# Altium PCB PCB v0.3.PcbDoc (part 1 of 2) (continued)
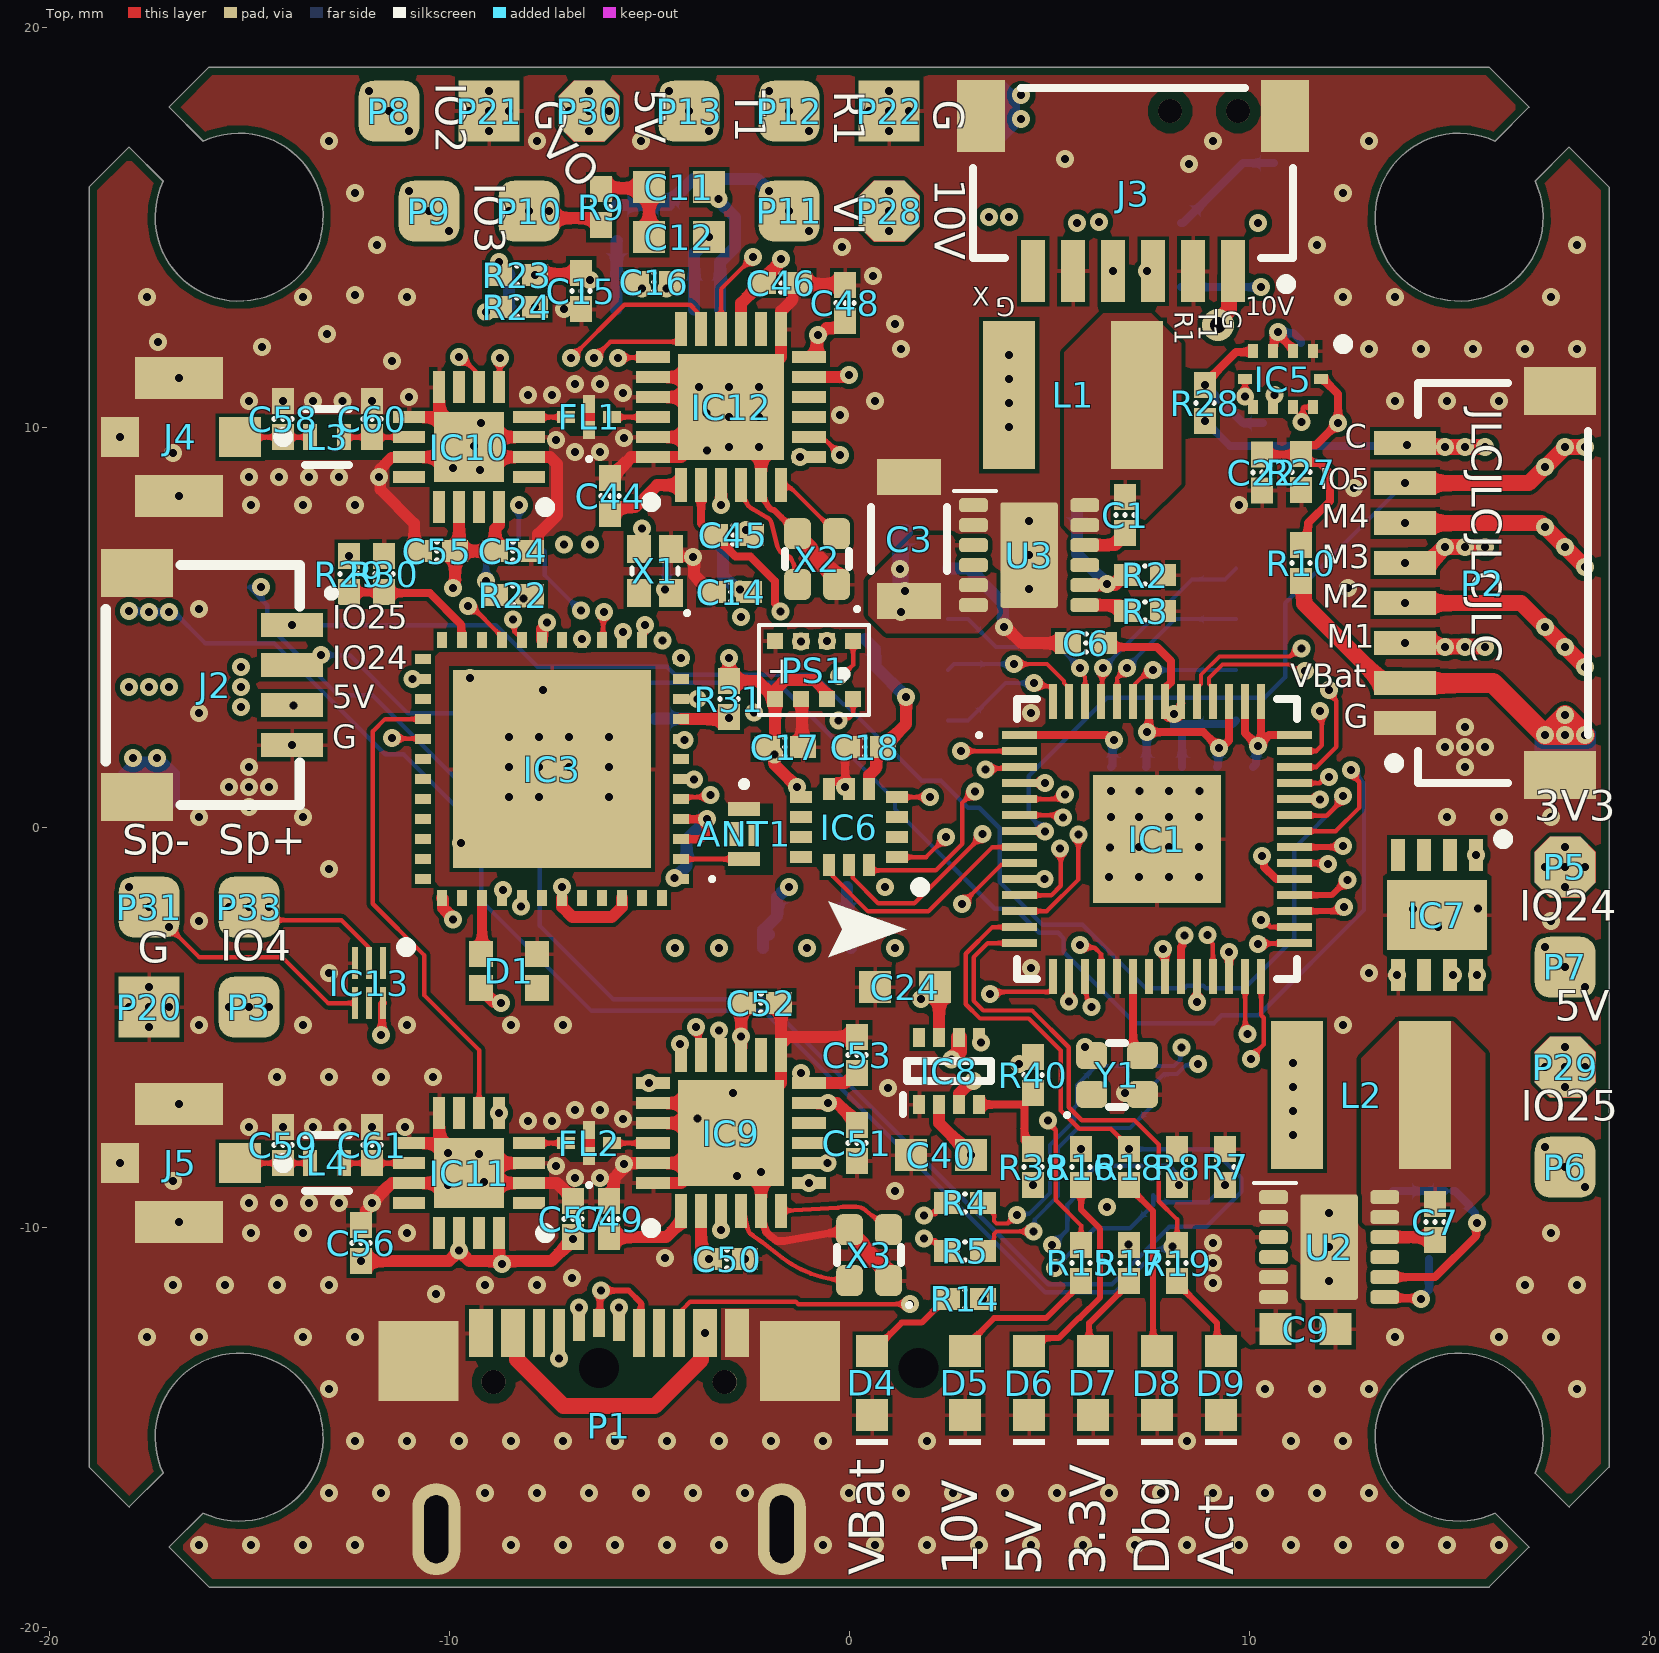
[diagram p0: Top view]
## Part data (continued)
C23 C25 C26 C27 C39: library part 885012205086, "WCAP-CSGP Multilayer Ceramic Chip Capacitor, General Purpose, size 0402, X7R, 100nF, 50VDC", Capacitance Tolerance=+/-10%, Case/Size Code=0402, Insulation Resistance=0.5GΩ, Manufacturer="Wurth Elektronik", Operating Temperature Max=125°C, Operating Temperature Min=-55°C, Rated Voltage (DC)=50V, Capacitance=100nF, Category="Multilayer Ceramic Chip Capacitors", Ceramic Type=X7R, ComponentLink1Description="Website Link", ComponentLink1URL=https://www.we-online.com/redexpert/article/885012205086?ad, ComponentLink2Description="Datasheet Link", ComponentLink2URL=https://www.we-online.com/redexpert/spec/885012205086?ad, Dissipation Factor=10%, Height=0.5mm, Length=1mm, Manufacturer Part Number=885012205086, Match Code=WCAP-CSGP, Mount="Surface Mount", Packaging="Tape and Reel", Technical Reference=X7R0402104K050DFCT10000, Width=0.5mm
C24 C40: library part 885012106017, "WCAP-CSGP Multilayer Ceramic Chip Capacitor, General Purpose, size 0603, X5R, 1µF, 16VDC", Capacitance Tolerance=+/-20%, Case/Size Code=0603, Insulation Resistance=0.1GΩ, Manufacturer="Wurth Elektronik", Operating Temperature Max=85°C, Operating Temperature Min=-55°C, Rated Voltage (DC)=16V, Capacitance=1µF, Category="Multilayer Ceramic Chip Capacitors", Ceramic Type=X5R, ComponentLink1Description="Website Link", ComponentLink1URL=https://www.we-online.com/redexpert/article/885012106017?ad, ComponentLink2Description="Datasheet Link", ComponentLink2URL=https://www.we-online.com/redexpert/spec/885012106017?ad, Dissipation Factor=10%, Height=0.8mm, Length=1.6mm, Manufacturer Part Number=885012106017, Match Code=WCAP-CSGP, Mount="Surface Mount", Packaging="Tape and Reel", Technical Reference=X5R0603105M016DFCT10000, Width=0.8mm
C42: library part 885012206076, "WCAP-CSGP Multilayer Ceramic Chip Capacitor, General Purpose, size 0603, X7R, 1µF, 25VDC", Capacitance Tolerance=+/-10%, Case/Size Code=0603, Insulation Resistance=0.5GΩ, Manufacturer="Wurth Elektronik", Operating Temperature Max=125°C, Operating Temperature Min=-55°C, Rated Voltage (DC)=25V, Capacitance=1µF, Category="Multilayer Ceramic Chip Capacitors", Ceramic Type=X7R, ComponentLink1Description="Website Link", ComponentLink1URL=https://www.we-online.com/redexpert/article/885012206076?ad, ComponentLink2Description="Datasheet Link", ComponentLink2URL=https://www.we-online.com/redexpert/spec/885012206076?ad, Dissipation Factor=10%, Height=0.8mm, Length=1.6mm, Manufacturer Part Number=885012206076, Match Code=WCAP-CSGP, Mount="Surface Mount", Packaging="Tape and Reel", Technical Reference=X7R0603105K025DFCT10000, Width=0.8mm
C58 C59 C60 C61: library part "Capacitor 0402 100nF", "CL05C1R5BB5NNNC"
CS1: "SHOU HAN TF-CARD H1.8"
D1: "XINGLIGHT XL-1615RGBC-WS2812B"
D3: library part 824015043, "WE-TVS TVS Diode – High Speed Series, SOT23-6L, 4+1 Channel, 3.3V, 2pF", (Reverse) Breakdown Voltage=4.5V, (Reverse) Peak Pulse Current=30A, Case/Size Code=SOT23-6L, Channel ESD Clamping Voltage=7.5V, Channel Input Capacitance=2pF, Channel Reverse Leakage Current=1µA, Manufacturer="Wurth Elektronik", Operating Temperature Max=125°C, Operating Temperature Min=-55°C, Category="ESD Protection", Channel Operating Voltage=3.3V, ComponentLink1Description="Website Link", ComponentLink1URL=https://www.we-online.com/redexpert/article/824015043?ad, ComponentLink2Description="Datasheet Link", ComponentLink2URL=https://www.we-online.com/redexpert/spec/824015043?ad, ESD Air Discharge Capability=30kV, ESD Contact Discharge Capability=30kV, Height=1.45mm, Length=2.9mm, Manufacturer Part Number=824015043, Match Code=WE-TVS, Mount="Surface Mount", Number of Channels=4+1, Packaging="Tape and Reel", Polarity=Unidirectional, Width=2.8mm
D4 D5: library part 150060BS75000, "WL-SMCW Mono-color Chip LED Waterclear, size 0603, Blue, 3.2V, 140°", Case/Size Code=0603, Emitting Color=Blue, Forward Voltage=3.2V, Manufacturer="Wurth Elektronik", Operating Temperature Max=85°C, Operating Temperature Min=-40°C, Category="Signal LEDs", Chip Technology=InGaN, ComponentLink1Description="Website Link", ComponentLink1URL=https://www.we-online.com/redexpert/article/150060BS75000?ad, ComponentLink2Description="Datasheet Link", ComponentLink2URL=https://www.we-online.com/redexpert/spec/150060BS75000?ad, Dominant Wavelength=470nm, Height=0.7mm, Length=1.6mm, Luminous Intensity=145mcd, Manufacturer Part Number=150060BS75000, Match Code=WL-SMCW, Mount="Surface Mount", Packaging="Tape and Reel", Peak Wavelength=465nm, Viewing Angle=140°, Width=0.8mm
D6 D9: library part 150060YS75000, "WL-SMCW Mono-color Chip LED Waterclear, size 0603, Yellow, 2V, 140°", Case/Size Code=0603, Emitting Color=Yellow, Forward Voltage=2V, Manufacturer="Wurth Elektronik", Operating Temperature Max=85°C, Operating Temperature Min=-40°C, Category="Signal LEDs", Chip Technology=AlInGaP, ComponentLink1Description="Website Link", ComponentLink1URL=https://www.we-online.com/redexpert/article/150060YS75000?ad, ComponentLink2Description="Datasheet Link", ComponentLink2URL=https://www.we-online.com/redexpert/spec/150060YS75000?ad, Dominant Wavelength=590nm, Height=0.7mm, Length=1.6mm, Luminous Intensity=120mcd, Manufacturer Part Number=150060YS75000, Match Code=WL-SMCW, Mount="Surface Mount", Packaging="Tape and Reel", Peak Wavelength=595nm, Viewing Angle=140°, Width=0.8mm
D7: library part 150060RS75000, "WL-SMCW Mono-color Chip LED Waterclear, size 0603, Red, 2V, 140°", Case/Size Code=0603, Emitting Color=Red, Forward Voltage=2V, Manufacturer="Wurth Elektronik", Operating Temperature Max=85°C, Operating Temperature Min=-40°C, Category="Signal LEDs", Chip Technology=AlInGaP, ComponentLink1Description="Website Link", ComponentLink1URL=https://www.we-online.com/redexpert/article/150060RS75000?ad, ComponentLink2Description="Datasheet Link", ComponentLink2URL=https://www.we-online.com/redexpert/spec/150060RS75000?ad, Dominant Wavelength=625nm, Height=0.7mm, Length=1.6mm, Luminous Intensity=250mcd, Manufacturer Part Number=150060RS75000, Match Code=WL-SMCW, Mount="Surface Mount", Packaging="Tape and Reel", Peak Wavelength=630nm, Viewing Angle=140°, Width=0.8mm
D8: library part 150060AS75000, "WL-SMCW Mono-color Chip LED Waterclear, size 0603, Amber, 2V, 140°", Case/Size Code=0603, Emitting Color=Amber, Forward Voltage=2V, Manufacturer="Wurth Elektronik", Operating Temperature Max=85°C, Operating Temperature Min=-40°C, Category="Signal LEDs", Chip Technology=AlInGaP, ComponentLink1Description="Website Link", ComponentLink1URL=https://www.we-online.com/redexpert/article/150060AS75000?ad, ComponentLink2Description="Datasheet Link", ComponentLink2URL=https://www.we-online.com/redexpert/spec/150060AS75000?ad, Dominant Wavelength=605nm, Height=0.7mm, Length=1.6mm, Luminous Intensity=130mcd, Manufacturer Part Number=150060AS75000, Match Code=WL-SMCW, Mount="Surface Mount", Packaging="Tape and Reel", Peak Wavelength=610nm, Viewing Angle=140°, Width=0.8mm
D12: library part CMP-14398-000007-1, "DIODE ARRAY SCHOTTKY 30V SOT23", Ambient Temperature Range High=+150°C, Ambient Temperature Range Low=-55°C, Capacitance=10pF, Forward Current=200mA, Manufacturer=Nexperia, Manufacturer Part Number=BAT54C,215, Max Surge Forward Current=600mA, Package=SOT23, Peak Reverse Current=2uA, Reverse Voltage=30V, Temperature="to +150°C", Automotive=Yes, Automotive Grade="Grade 0", Category=Diode, ComponentLink2Description=Datasheet, ComponentLink2URL=https://assets.nexperia.com/documents/data-sheet/BAT54_SER.pdf, Device Class L1="Discrete Semiconductors", Device Class L2=Diodes, Device Class L3="Schottky Diodes", Digikey Description="DIODE ARRAY SCHOTTKY 30V SOT23", Footprint Url=https://assets.nexperia.com/documents/outline-drawing/SOT23.pdf, Height=1.1mm, Ipc Land Pattern Name=SOT95P230X100-3, Lead Free=Yes, Max Junction Temp=+150°C, Mouser Description="Schottky Diodes, Rectifiers - Arrays SOT-23 (TO-236AB) 30V 200mA (DC) Surface Mount", Octopart=https://octopart.com/bat54c%2C215-nexperia-78738945, RoHS=TRUE, Temperature Range High=+150°C
FL1 FL2: "Filter", Manufacturer_Name="Murata Electronics", Mouser Part Number=81-LFL152G45TC1A219, Arrow Part Number=LFL152G45TC1A219, Arrow Price/Stock=https://www.arrow.com/en/products/lfl152g45tc1a219/murata-manufacturing?region=nac, Datasheet Link=https://www.murata.com/en-us/products/productdetail?partno=LFL152G45TC1A219, Height=0.4mm, Manufacturer_Part_Number=LFL152G45TC1A219, Mouser Price/Stock=https://www.mouser.co.uk/ProductDetail/Murata-Electronics/LFL152G45TC1A219?qs=%2F%252BYoplLUB5hWhU%2FZs0btqg%3D%3D
IC1: library part RP2040, "Microcontroller", Manufacturer_Name=RASPBERRY-PI, Manufacturer_Part_Number=SC0914(13), Mouser Part Number=358-SC091413, Datasheet Link=https://datasheets.raspberrypi.com/rp2040/rp2040-datasheet.pdf, Height=0.9mm, Mouser Price/Stock=https://www.mouser.co.uk/ProductDetail/Raspberry-Pi/SC091413?qs=T%252BzbugeAwjhr%252BUbBr3TJcw%3D%3D
IC2: "Integrated Circuit", Manufacturer_Name=Winbond, Mouser Part Number=454-W25Q16JVSSIQ, Arrow Part Number=W25Q16JVSSIQ, Arrow Price/Stock=https://www.arrow.com/en/products/w25q16jvssiq/winbond-electronics?region=nac, Datasheet Link=https://www.winbond.com/hq/search-resource-file.jsp?partNo=W25Q16JVSSIQ&type=datasheet, Height=2.16mm, Manufacturer_Part_Number=W25Q16JVSSIQ, Mouser Price/Stock=https://www.mouser.co.uk/ProductDetail/Winbond/W25Q16JVSSIQ?qs=qSfuJ%252Bfl%2Fd46L%2F1QrQC%2Fog%3D%3D
IC3: "Integrated Circuit", Manufacturer_Name="Espressif Systems", Mouser Part Number=356-ESP32-PICO-V3, Datasheet Link=https://kr.mouser.com/datasheet/2/891/esp32-pico-v3_datasheet_en-1842685.pdf, Height=1.04mm, Manufacturer_Part_Number=ESP32-PICO-V3, Mouser Price/Stock=https://www.mouser.co.uk/ProductDetail/Espressif-Systems/ESP32-PICO-V3?qs=GBLSl2Akirs311o8knsnZA%3D%3D
IC4: "Integrated Circuit", Manufacturer_Name=ICOF, Datasheet Link=https://datasheet.lcsc.com/szlcsc/ZHONGKEWEI-AT7456E_C82351.pdf, Height=1.2mm, Manufacturer_Part_Number=AT7456E
IC5: "Integrated Circuit", Manufacturer_Name="Texas Instruments", Mouser Part Number=595-TLV9002SIRUGR, Arrow Part Number=TLV9002SIRUGR, Arrow Price/Stock=https://www.arrow.com/en/products/tlv9002sirugr/texas-instruments?region=nac, Datasheet Link=http://www.ti.com/lit/gpn/TLV9002, Height=0.4mm, Manufacturer_Part_Number=TLV9002SIRUGR, Mouser Price/Stock=https://www.mouser.co.uk/ProductDetail/Texas-Instruments/TLV9002SIRUGR?qs=2WXlatMagcFgZnU86g5SIg%3D%3D
IC6: "Integrated Circuit", Manufacturer_Name=BOSCH, Mouser Part Number=262-BMI270, Arrow Part Number=BMI270, Arrow Price/Stock=https://www.arrow.com/en/products/bmi270/bosch?region=nac, Datasheet Link=https://www.mouser.de/datasheet/2/783/BST-BMI270-FL000-1530947.pdf, Height=0.87mm, Manufacturer_Part_Number=BMI270, Mouser Price/Stock=https://www.mouser.co.uk/ProductDetail/Bosch-Sensortec/BMI270?qs=u16ybLDytRYIj%252BjQEee88A%3D%3D
IC7: "Integrated Circuit", Manufacturer_Name="Texas Instruments", Mouser Part Number=595-TPS78533QWDRBRQ1, Arrow Part Number=TPS78533QWDRBRQ1, Arrow Price/Stock=https://www.arrow.com/en/products/tps78533qwdrbrq1/texas-instruments?region=nac, Datasheet Link=https://www.arrow.com/en/products/tps78533qwdrbrq1/texas-instruments?region=nac, Height=1mm, Manufacturer_Part_Number=TPS78533QWDRBRQ1, Mouser Price/Stock=https://www.mouser.co.uk/ProductDetail/Texas-Instruments/TPS78533QWDRBRQ1?qs=iLbezkQI%252BsiNbdqh2Ko9GQ%3D%3D
IC8: library part TPS2116DRLR, "Integrated Circuit", Manufacturer_Name="Texas Instruments", Mouser Part Number=595-TPS2116DRLR, Arrow Part Number=TPS2116DRLR, Arrow Price/Stock=https://www.arrow.com/en/products/tps2116drlr/texas-instruments?region=nac, Datasheet Link=https://www.ti.com/lit/gpn/tps2116, Height=0.6mm, Manufacturer_Part_Number=TPS2116DRLR, Mouser Price/Stock=https://www.mouser.co.uk/ProductDetail/Texas-Instruments/TPS2116DRLR?qs=aP1CjGhiNiGo3XAyXcVPaQ%3D%3D
IC9 IC12: "Integrated Circuit", Manufacturer_Name=SEMTECH, Mouser Part Number=947-SX1281IMLTRT, Arrow Part Number=SX1281IMLTRT, Arrow Price/Stock=https://www.arrow.com/en/products/sx1281imltrt/semtech?region=nac, Datasheet Link=https://www.arrow.com/en/products/sx1281imltrt/semtech, Height=1mm, Manufacturer_Part_Number=SX1281IMLTRT, Mouser Price/Stock=https://www.mouser.co.uk/ProductDetail/Semtech/SX1281IMLTRT?qs=5aG0NVq1C4xR1aFoShVcjg%3D%3D
IC10 IC11: "Integrated Circuit", Manufacturer_Name=Skyworks, Mouser Part Number=477-RFX2401C, Datasheet Link=https://eu.mouser.com/datasheet/2/472/RFX2401C_204359B-1524606.pdf, Height=0.6mm, Manufacturer_Part_Number=RFX2401C, Mouser Price/Stock=https://www.mouser.co.uk/ProductDetail/Skyworks-Solutions-Inc/RFX2401C?qs=dBWc1juS%252B3ydEXrKsuxQ7A%3D%3D
IC13: "Integrated Circuit", Manufacturer_Name="Texas Instruments", Mouser Part Number=595-SN74LVC1G14DSFR, Arrow Part Number=SN74LVC1G14DSFR, Arrow Price/Stock=https://www.arrow.com/en/products/sn74lvc1g14dsfr/texas-instruments?region=nac, Datasheet Link=https://www.ti.com/lit/ds/symlink/sn74lvc1g14.pdf?HQS=dis-dk-null-digikeymode-dsf-pf-null-wwe&ts=1640194498042&ref_url=https%253A%252F%252Fwww.ti.com%252Fgeneral%252Fdocs%252Fsuppproductinfo.tsp%253FdistId%253D10%2526gotoUrl%253Dhttps%253A%252F%252Fwww.ti, Height=0.4mm, Manufacturer_Part_Number=SN74LVC1G14DSFR, Mouser Price/Stock=https://www.mouser.co.uk/ProductDetail/Texas-Instruments/SN74LVC1G14DSFR?qs=L4ss%2FyqpMWRLGwmM%2Fw1SHQ%3D%3D
J2: "Connector", Arrow Part Number=SM04B-SRSS-TB(LF)(SN), Manufacturer_Name="JST (JAPAN SOLDERLESS TERMINALS)", Arrow Price/Stock=https://www.arrow.com/en/products/sm04b-srss-tb-lf-sn/jst-manufacturing?region=europe, Datasheet Link=http://www.jst-mfg.com/product/pdf/eng/eSH.pdf, Manufacturer_Part_Number=SM04B-SRSS-TB(LF)(SN)
J3: library part CMP-2000-07080-1, "Male Header, Pitch 1 mm, 1 x 6 Position, Height 2.95 mm, -25 to 85 degC, RoHS, Tape and Reel", Manufacturer=JST, Package Description="Male Header, Pitch 1 mm, 1 X 6 Position, Height 2.9 mm", Package Reference=SM06B-SRSS-TB, Datasheet URL=https://datasheet.ciiva.com/26894/getdatasheetpartid-708885-26894671.pdf, Datasheet Version=11/2010, Manufacturer URL=http://www.jst.com/home2.html, Mounting Technology=SurfaceMount, No of Positions=6, Pitch=1mm, Style/Orientation=RightAngleHeader/Plug, Termination=Solder, Type=ShroudedHeader
J4 J5: library part CMP-1743-00001-1, "AMC PCB Jack, 0 to 60 GHz, 60 V, -40 to 90 degC, 4-Pin SMD, RoHS, Tape and Reel", Capacitance="100 uF", Case Code (Imperial)=2917, Case Code (Metric)=7343, Max Operating Temperature="125 degC", Min Operating Temperature="-55 degC", Package Quantity=1, Tolerance=10%, Voltage Rating="10 V", Case\Package=2917, ComponentLink1Description=Datasheet, ComponentLink1URL=http://drawings.amphenolrf.com/Customer_Outline/CA-1JB.pdf, DatasheetVersion="Rev. K, 05/2016", ESR="700 mohm", Height="3.1 mm", Length="7.3 mm", Mount="Surface Mount", PackageDescription="4-Pin Surface Mount Device, Body 2.6 x 2.6 mm", PackageReference=A-1JB, Packaging="Tape and Reel", Pins=2, Radiation Hardening=No, REACH SVHC="No SVHC", RoHSCompliant=true, Voltage Rating (DC)="10 V", Weight="0.023634 oz", Width="4.3 mm"
L3 L4: library part CMP-06042-000827-1, "MLG1005S3N3BT000", Case Code (Imperial)=0402, Case Code (Metric)=1005, Current=750mA, DC Resistance (DCR)=70mR, Inductance=3.9nH, Max Operating Temperature=125°C, Min Operating Temperature=-55°C, Package Quantity=10000, Self Resonant Frequency=10GHz, Test Frequency=100MHz, Case/Package=0402, Core Material=Air, Current Rating=750mA, DC Current=750mA, Depth=0.7mm, Height=0.5mm, Lead Free="Lead Free", Length=1mm, Max DC Current=750mA, Military Standard=Not, Mount="Surface Mount", Number of Pins=2, Packaging="Tape and Reel", Radiation Hardening=No, REACH SVHC="No SVHC", Shielding=Unshielded, Termination=SMD/SMT, Weight=2.8E-05oz, Width=0.02inch
P2: library part CMP-2000-07082-1, "Male Header, Pitch 1 mm, 1 x 8 Position, Height 2.95 mm, -25 to 85 degC, RoHS, Tape and Reel", Manufacturer=JST, Package Description="Male Header, Pitch 1 mm, 1 x 8 Position, Height 2.95 mm", Package Reference=SM08B-SRSS-TB, Datasheet URL=http://www.jst-mfg.com/product/pdf/eng/eSR.pdf, Datasheet Version=11/2010, Manufacturer URL=http://www.jst.com/home2.html, Mounting Technology=SurfaceMount, No of Positions=8, Pitch=1mm, Style/Orientation=RightAngleHeader/Plug, Termination=Crimp, Type=ShroudedHeader
PS1: library part "Goertek SPL06-001"
R1 R2 R3 R4 R5 R7 R8 R9 R10 R14 R15 R16 R17 R18 R19 R21 R22 R23 R24 R27 R28 R29 R30 R31 R38 R40: library part "Resistor 0402 1K"
R6: library part "Res 10K", "Chipwiderstand, SMD, Baureihe MC, 1%", Manufacturer=Multicomp, OC_FARNELL=9330399, PackageReference=0603
R11 R12 R13: library part "Res 33K", "Chipwiderstand, SMD, Baureihe MC, 1%", Manufacturer=Multicomp, OC_FARNELL=9331506, PackageReference=0603
R20: library part "Res 1K", "Chipwiderstand, SMD, Baureihe MC, 1%", Manufacturer=Multicomp, OC_FARNELL=9330380, PackageReference=0603
U2 U3: library part LMR38025, "LMR38025-Q1 SIMPLE SWITCHER® Power Converter, 4.2-V to 80-V, 2.5-A Automotive / Synchronous Buck Converter With 40-μA IQ"
X1: library part "1612 Crystal", "HD 7E027000H01", Manufacturer_Name=Microchip, Manufacturer_Part_Number=DSC6003MA3B-032K768, Mouser Part Number=579-6003MA3B032K768, Datasheet Link=https://www.mouser.es/datasheet/2/268/DSC60xxB-Ultra-Small-Ultra-Low-Power-MEMS-Oscillat-1660527.pdf, Height=0.89mm, Mouser Price/Stock=https://www.mouser.co.uk/ProductDetail/Microchip-Technology/DSC6003MA3B-032K768?qs=PqoDHHvF64%252BWTEYTiC%2Fvdw%3D%3D
X2 X3: library part "HCI XC21M4-52.000", "HCI XC21M4-52.000-F10NNHPL"
Y1: "YXC OT201612MJBA4SL", Manufacturer_Name=Microchip, Manufacturer_Part_Number=DSC6003MA3B-032K768, Mouser Part Number=579-6003MA3B032K768, Datasheet Link=https://www.mouser.es/datasheet/2/268/DSC60xxB-Ultra-Small-Ultra-Low-Power-MEMS-Oscillat-1660527.pdf, Height=0.89mm, Mouser Price/Stock=https://www.mouser.co.uk/ProductDetail/Microchip-Technology/DSC6003MA3B-032K768?qs=PqoDHHvF64%252BWTEYTiC%2Fvdw%3D%3D

## Via types
v1: diameter 0.45, hole 0.2, Top to Bottom, tented both sides, 590 vias
v2: diameter 0.6, hole 0.2, Top to Bottom, tented both sides, 4 vias
v3: diameter 0.8, hole 0.4, Top to Bottom, tented both sides, 1 vias

## Nets (pads, with @x,y where several pads share a name; then routed paths per layer and width w, separated by ;. In a path a pad name is that pad's centre, name@x,y a point inside that pad or via, vN(x,y) a via of type N, cw(c..) or ccw(c..) an arc to the next point about the centre after c; other vN are vias at no path point)
3V3: C5.2 C6.2 C17.2 C18.2 C19.2 C20.2 C26.2 C27.2 C28.2 C29.2 C30.2 C32.2 C33.2 C34.2 C35.2 C36.2 C39.2 C42.2 C43.2 C46.2 C47.2 C51.2 C52.2 C54.2 C55.2 C56.2 C57.2 C62.2 CS1.4 D12.3 IC1.1 IC1.10 IC1.22 IC1.26 IC1.33 IC1.42 IC1.43 IC1.44 IC1.48 IC1.49 IC2.8 IC3.1 IC3.3 IC3.4 IC3.19 IC3.26 IC3.37 IC3.43 IC3.46 IC5.2 IC5.3 IC5.7 IC6.5 IC6.8 IC7.1 IC9.11 IC9.15 IC10.14 IC10.16 IC11.14 IC11.16 IC12.11 IC12.15 IC13.6 P5.1 P5.2 PS1.6 PS1.8 R6.2 R17.2 R29.2 R31.2 Y1.4 | length 55.6
  Top w0.2: v1(-11.7,-5.2) -11.675,-5.175 -11.675,-4.425 IC13.6@-11.65,-4.4 ; IC3.3@-4.2,-0.3 -3.7,-0.3 -3.583,-0.183 -3.583,0.167 v1(-3.55,0.2) IC3.4@-4.2,0.2 ; IC1.1@4.262,2.3 6.432,2.3 6.557,2.175 v1(6.625,2.175) ; C6.2@6.55,4.5 7.7,4.5 8.045,4.155 8.045,3.62 7.9,3.475 7.9,2.8 7.974,2.726 IC1.48@8.226,2.726 ; v1(7.848,-3.051) 7.848,-3.118 7.9,-3.17 IC1.22@7.9,-3.738 ; v1(8.125,2.827) IC1.48@8.226,2.726 ; IC1.48@8.3,3.138 8.3,2.8 IC1.48@8.226,2.726 ; IC1.26@9.5,-3.738 v1(9.5,-3.116) ; IC1.44@9.9,3.138 9.9,2.35 v1@10.177,2.073 ; v1(10.225,2.025) 10.5,2.3 IC1.42@11.138,2.3 ; v1@10.3,2.168 IC1.43@10.3,3.138 ; v1(10.325,-0.725) 10.373,-0.773 10.373,-0.993 10.679,-1.3 IC1.33@11.138,-1.3 ; IC5.7@10.6,10.5 10.615,10.515 10.615,10.787 v1(10.63,10.802) ; IC5.3@10.6,11.9 10.625,11.925 v1@10.625,12.207 ; v1(10.725,12.375) 10.725,12.325 11.1,11.95 IC5.2@11.1,11.9
  Top w0.25: -0.885,3.677 -0.6,3.392 PS1.6@-0.6,3.25
  Top w0.3: v1(-12.2,-10.85) -10.008,-10.85 -9.75,-10.592 v1(-9.75,-10.587) ; IC3.37@-10.175,-1.775 -10.15,-1.8 -10.15,-2.025 -9.905,-2.271 v1(-9.905,-2.311) ; v1(-9.9,5.972) -9.9,6.013 -9.85,6.063 C55.2@-9.85,6.9 ; IC11.14@-9.8,-10.542 -9.492,-10.85 v1@-8.75,-10.85 ; IC10.14@-9.75,8 -9.75,7 C55.2@-9.85,6.9 ; IC11.16@-8.75,-10.15 v1@-8.75,-10.85 ; IC10.16@-8.75,8 -8.75,7.558 -8.85,7.458 C54.2@-8.85,6.9 C55.2@-9.85,6.9 ; IC3.19@-7.675,4.675 -7.675,4.957 -7.553,5.079 v1(-7.553,5.119) ; IC3.43@-7.175,-1.775 -7.175,-1.992 -6.915,-2.252 -5.935,-2.252 -5.675,-1.992 IC3.46@-5.675,-1.775 ; C57.2@-6.9,-10.25 v1(-6.9,-10.3) -7.45,-10.85 v1@-8.75,-10.85 ; v1(-3,4.232) R31.2@-3,3.65 -2.275,3.65 -1.9,3.275 -1.9,3.25 PS1.8@-1.8,3.25 ; IC9.15@-2.7,-5.7 -2.7,-4.45 C52.2@-2.65,-4.4 ; IC12.15@-2.7,12.45 -2.7,13.1 -2.2,13.6 -2.1,13.6 -1.975,13.725 -1.975,13.867 -1.73,14.112 -1.73,14.175 v1(-1.701,14.204) ; C17.2@-2.05,2 -2,2 C17.2@-1.997,2.003 ; C17.2@-1.871,1.816 v1(-1.866,1.816) ; v1(-1.3,1) -1.871,1.571 -1.871,1.821 -1.9,1.85 -1.9,1.907 C17.2@-1.997,2.003 ; IC9.11@-1,-6.9 -0.524,-6.9 v1(-0.522,-6.902) ; IC12.11@-1,11.25 -0.725,11.25 -0.723,11.248 -0.093,11.248 -0.041,11.3 v1(0,11.3) ; -0.885,3.677 -1.602,3.677 -1.8,3.479 PS1.8@-1.8,3.25 ; PS1.6@-0.6,3.25 PS1.6@-0.55,3.2 ; v1@-0.522,-6.9 -0.3,-6.9 0.2,-7.4 C51.2@0.2,-7.45 ; IC6.5@0.5,0.95 0.5,1.3 0.675,1.475 C18.2@0.675,1.875 ; C18.2@0.85,2 0.9,2 1.025,2.125 1.025,2.175 1.422,2.572 v1(1.422,3.253) ; C17.2@-1.997,2.003 -1.875,2.125 -1.875,2.25 -1.85,2.275 PS1.8@-1.85,3.2 PS1.8@-1.8,3.25
  Bottom w0.2: C39.2@6.547,1.5 6.586,1.539 6.586,2.136 v1(6.625,2.175) ; v1(8.125,2.827) 8.125,2.575 ; C26.2@8.325,1.5 8.325,2.307 8.125,2.507 8.125,2.575 ; IC2.8@9.675,2.66 9.59,2.575 8.125,2.575 ; C27.2@10.1,1.5 10.177,1.577 10.177,1.977 v1(10.225,2.025) ; v1(10.725,12.375) 10.75,12.35 11.1,12.35 11.3,12.15 D12.3@11.3,12.1
  Bottom w0.3: v1(-4.363,-1.277) -4.059,-0.974 -4.059,-0.309 v1(-3.55,0.2) ; CS1.4@-2.15,-3.025 CS1.4@-2.15,-2.682 ; CS1.4@-2,-2.682 CS1.4@-2.15,-2.682 ; C62.2@-1.55,-1.5 -1.8,-1.75 -1.8,-2.225 -2.15,-2.575 CS1.4@-2.15,-2.682 ; C5.2@0.4,4.7 0.65,4.45 0.65,4.026 v1(1.422,3.253)
  other v1: -8.675,-10.925 6.987,-10.437 5.9,-5.5 -2.7,-5.238 -7.175,-1.5 -1.5,-1.5 17.9,-1.5 4.884,-1.3 17.4,-1 17.9,-1 18.4,-1 15.675,-0.7 17.9,-0.5 -10.914,3.7 -12.5,6.775 10.225,15.1
5V: C14.2 C15.1 C16.1 C21.1 C24.2 C40.2 D1.2 IC4.3 IC4.19 IC4.21 IC4.24 IC7.7 IC7.8 IC8.2 IC8.7 J2.3 P25.1 P26.1 P29.1 P29.2 P30.1 P30.2 R16.2 R22.2 R23.2 R24.2 | length 7.3
  Top w0.3: D1.2@-9.2,-4.025 -9.2,-4.05 -8.879,-4.371 -8.729,-4.371 v1(-8.7,-4.4) ; v1(-7.85,13.8) -7.825,13.825 -6.725,13.825 C15.1@-6.7,13.85 ; v1(-2.723,5.943) -2.655,5.875 C14.2@-2.5,5.875 ; C24.2@2.15,-4 2.25,-4.1 IC8.7@2.25,-5.262 ; IC8.2@2.25,-6.938 2.25,-7.4 v1(3.05,-8.2)
  Power 5/VBat w0.3: 5.8,-9.075 v1(5.8,-8.05)
  Bottom w0.3: IC4.3@-3.225,7.012 -3.15,6.937 -3.15,6.283 -2.839,5.972 -2.752,5.972 v1(-2.723,5.943)
  other v1: 17.9,-6.5 17.4,-6 17.9,-6 18.4,-6 17.9,-5.5 1.8,-4.3 15.1,-3.7 15.7,-3.7 -17.9,1.725 -17.3,1.725 -13.89,3.046 -8.145,5.711 -7.848,13 -4.564,13.464 -6.475,13.675 -6.5,17.4 4.3,17.7 -7,17.9 -6.5,17.9 -6,17.9 4.3,18.3 -6.5,18.4
5V_Buck: C8.2 IC8.3 IC8.5 L2.2 R11.2 R38.1 | length 1.8
  Top w0.3: IC8.3@2.75,-6.938 2.75,-6.659 3.032,-6.377 3.08,-6.377 v1(3.109,-6.348) ; IC8.5@3.25,-5.262 3.25,-5.35 3.27,-5.35 v1(3.303,-5.382)
  Power 5/VBat w0.3: v1(4.6,-8.95) 4.6,-8.1
  other v1: 11.1,-7.7 11.1,-7.1 11.1,-6.5 11.1,-5.9
10V: C2.2 J3.1 L1.2 P28.1 P28.2 R1.2 R15.2 | length 38.3
  Top w0.11: v1(4.976,-7.34) 4.976,-7.38 5.17,-7.574 5.17,-9.33 5.8,-9.96 R15.2@5.8,-10.45
  Top w0.4: v3(9.225,12.55) 9.225,12.658 9.5,12.933 9.5,13.8 J3.1@9.6,13.9
  Signal 2 w0.11: v1(4,10) 3.425,10 0.868,7.443 0.868,-0.543 4.994,-4.669 4.994,-7.322 v1(4.976,-7.34)
  Power 5/VBat w0.4: v1(1,15.9) v1(1,15.4) v1(1,14.9) 3.99,11.91 3.99,11.81 v1(4,11.8) ; v1(4,10) v1(4,10.6) v1(4,11.2) v1(4,11.8) ; v3(9.225,12.55) 4.75,12.55 v1(4,11.8)
Activity: IC1.14 P36.1 R19.2 | length 46.9
  Top w0.11: IC1.14@4.262,-2.9 3.467,-2.9 3.118,-3.249 3.118,-4.346 3.356,-4.584 4.574,-4.584 5.493,-5.503 5.493,-7.002 5.817,-7.326 7.133,-7.326 7.743,-7.936 7.743,-9.35 8.2,-9.807 R19.2@8.2,-10.45 8.162,-10.488 v1(8.088,-10.488)
  Bottom w0.11: v1(-18,5.398) -17.523,5.398 v1(-17.5,5.375) -17.475,5.4 -17.45,5.375 v1(-17,5.375) -16.969,5.406 -16.906,5.406 -16.1,4.6 -14.376,4.6 -11.594,1.818 -11.136,1.818 -9.2,-0.118 -9.2,-1.836 -6.44,-4.596 -2.135,-4.596 4.899,-11.629 6.654,-11.629 7.594,-10.689 7.73,-10.553 8.023,-10.553 v1(8.088,-10.488)
BARO_SS: IC1.39 PS1.2 | length 15.7
  Top w0.11: IC1.39@11.138,1.1 11.759,1.1 11.907,1.248 v1(11.999,1.248)
  GND Bottom w0.11: v1(-1.2,4.643) -0.786,4.229 3.703,4.229 3.956,4.482 8.765,4.482 v1(11.999,1.248)
BaroMISO: IC1.27 IC4.11 IC6.1 PS1.5 | length 30.2
  Top w0.11: v1(-0.259,2.66) -0.198,2.721 -0.005,2.721 0.1,2.827 PS1.5@0.1,3.2 ; IC6.1@1.2,-0.75 1.925,-0.75 v1(2.425,-0.25) ; IC1.27@9.9,-3.738 9.9,-5.119 v1(9.956,-5.175)
  Signal 3 w0.11: v1(-8.248,8.049) -8.235,8.037 -8.235,6.377 -7.146,5.288 -7.146,4.571 -6.2,3.625 -2.425,3.625 -1.426,2.626 v1@-0.4,2.626 ; v1(-0.259,2.66) -0.341,2.66 -0.4,2.601 1.618,0.583 1.618,0.581 1.856,0.343 1.858,0.343 2.425,-0.224 v1(2.425,-0.25) 4.4,-2.225 6.2,-2.225 7.366,-3.391 7.366,-3.666 8.875,-5.175 v1(9.956,-5.175)
  Bottom w0.11: IC4.11@-8.425,7.062 -8.255,7.232 -8.255,8.042 v1(-8.248,8.049)
BaroMOSI: IC1.30 IC4.9 IC6.14 PS1.3 | length 26.5
  Top w0.11: IC6.14@0.5,-0.95 0.5,-0.987 0.595,-1.082 2.169,-1.082 2.832,-0.419 2.832,0.614 3.107,0.889 v1(3.141,0.889) ; v1(10.3,-2.325) 10.36,-2.325 10.536,-2.5 IC1.30@11.138,-2.5
  Signal 3 w0.11: v1(-7.125,7.062) -6.413,6.35 -2.099,6.35 -0.615,4.866 -0.615,4.715 v1(-0.55,4.65) ; v1@-0.55,4.593 -0.493,4.593 3.141,0.959 v1(3.141,0.889) ; v1@3.15,0.925 3.234,0.925 5.816,-1.657 9.632,-1.657 v1(10.3,-2.325)
BaroSCLK: IC1.29 IC4.10 IC6.13 PS1.4 | length 29.5
  Top w0.11: v1(-0.25,3.775) -0.179,3.775 0.1,4.054 PS1.4@0.1,4.65 ; IC6.13@0,-0.95 0.095,-1.045 0.095,-1.271 0.731,-1.907 1.626,-1.907 3.332,-0.201 v1(3.332,-0.175) ; v1(10.225,-2.925) 10.238,-2.913 11.125,-2.913 IC1.29@11.138,-2.9
  Signal 3 w0.11: v1(-6.7,5.417) -6.7,5.349 -5.176,3.825 -0.301,3.825 v1(-0.25,3.775) -0.25,3.683 -0.023,3.455 -0.023,3.373 3.267,0.083 3.267,-0.119 3.211,-0.175 v1(3.332,-0.175) ; v1@3.211,-0.203 4.865,-1.857 8.816,-1.857 9.835,-2.876 10.176,-2.876 v1(10.225,-2.925)
  Bottom w0.11: IC4.10@-7.775,7.062 -7.605,6.892 -7.605,6.293 -6.729,5.417 v1(-6.7,5.417)
BUSY: IC3.5 IC12.7 | length 10.2
  Top w0.11: IC3.5@-4.2,0.7 -4.104,0.7 -4.055,0.749 -3.509,0.749 v1(-3.46,0.799)
  GND Bottom w0.11: v1(-3.46,0.799) -1.766,2.492 -1.766,4.653 -1.227,5.192 v1(-1.227,9.248)
BUSY_2: IC3.8 IC9.7 | length 12.4
  Signal 2 w0.11: v1(-4.12,2.177) -2.25,0.307 -2.25,-7.652 v1(-1,-8.902)